# Altium PCB ESP32_MAIN.PcbDoc (part 2 of 2)
Units mm, origin at the board's own origin, x right, y up, seen from the top; angles counter-clockwise.
Board outline 80 x 80 mm, 2 copper layers (Top Layer, Bottom Layer); 106 components, 91 nets, 388 pads, 146 vias.
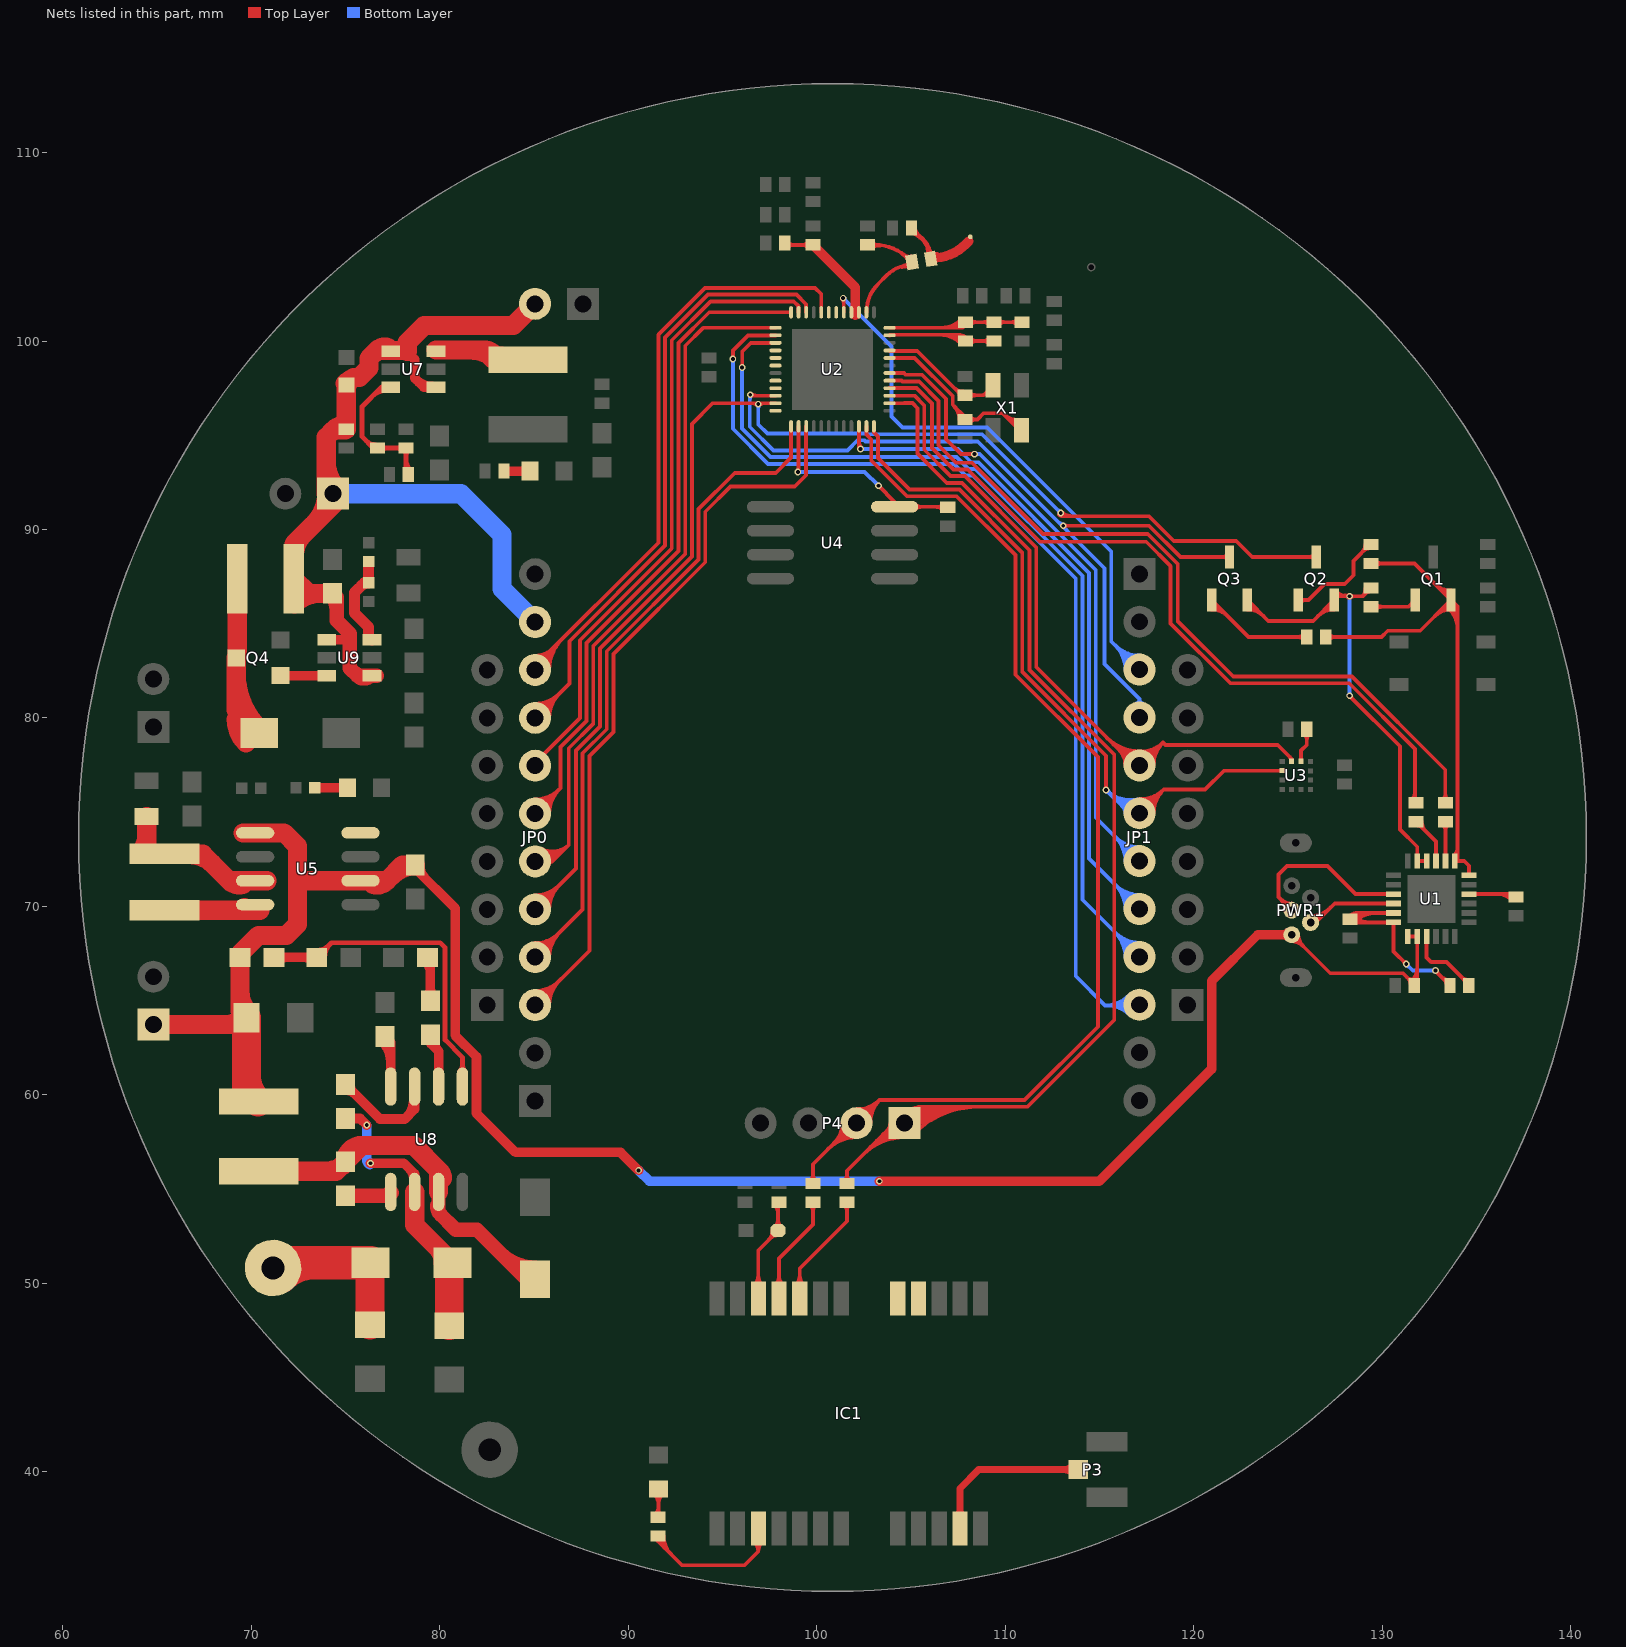
[diagram p2: the nets of this part, all layers, seen from the top]

## Via types
v1: diameter 0.356, hole 0.203, Top Layer to Bottom Layer, 130 vias
v2: diameter 0.5, hole 0.2, Top Layer to Bottom Layer, 16 vias

## Nets (pads, with @x,y where several pads share a name; then routed paths per layer and width w, separated by ;. In a path a pad name is that pad's centre, name@x,y a point inside that pad or via, vN(x,y) a via of type N, cw(c..) or ccw(c..) an arc to the next point about the centre after c; other vN are vias at no path point) (continued)
GPS_RX1: P4.2 R26.2 U2.35 | length 68.8
  Top Layer w0.203: R26.2@99.66,55.44 ccw(c99.321,55.779) 99.8,55.779 ccw(c100.279,55.779) R26.2@99.94,55.44 ; R26.2@99.8,55.3 99.8,56.325 101.975,58.5 P4.2@102.108,58.5 103.333,59.725 ; 100.603,57.128 cw(c102.108,55.624) P4.2@102.108,57.752 ; 100.924,57.449 ccw(c99.874,58.5) P4.2@101.36,58.5 ; 100.95,57.475 cw(c102.108,56.317) P4.2@102.108,57.955 ; 101.271,57.796 ccw(c100.568,58.5) P4.2@101.563,58.5 ; 101.297,57.822 cw(c102.108,57.011) P4.2@102.108,58.158 ; P4.2@102.124,59.045 ccw(c102.16,60.232) 103,59.392 ccw(c103.84,58.552) P4.2@102.653,58.516 ; P4.2@102.131,59.248 ccw(c102.18,60.878) 103.333,59.725 ; U2.35@102.638,95.475 102.638,95.034 102.894,94.778 102.894,93.653 104.783,91.764 107.42,91.764 110.544,88.64 110.544,82.303 110.583,82.264 110.583,82.258 114.918,77.923 114.918,63.618 111.025,59.725 103.333,59.725 ; P4.2@102.856,58.523 cw(c104.486,58.572) 103.333,59.725
GPS_RX2: IC1.17
GPS_TX1: P4.1 R27.2 U2.38 | length 86.1
  Top Layer w0.203: R27.2@101.46,55.44 ccw(c101.121,55.779) 101.6,55.779 ccw(c102.079,55.779) R27.2@101.74,55.44 ; R27.2@101.6,55.3 101.6,55.975 104.125,58.5 P4.1@104.648,58.5 105.517,59.369 ; 102.478,56.853 cw(c104.648,54.682) P4.1@104.648,57.752 ; 102.824,57.199 cw(c104.648,55.376) P4.1@104.648,57.955 ; 103.171,57.546 cw(c104.648,56.07) P4.1@104.648,58.158 ; 103.518,57.893 cw(c104.648,56.763) P4.1@104.648,58.361 ; 103.74,58.115 ccw(c103.355,58.5) P4.1@103.9,58.5 ; U2.38@103.863,96.7 104.639,96.7 104.646,96.707 105.079,96.707 105.35,96.436 105.35,94.025 106.9,92.475 107.715,92.475 111.294,88.896 111.294,82.553 115.782,78.065 115.782,63.979 111.172,59.369 105.517,59.369 ; P4.1@104.315,58.833 cw(c105.61,57.538) 105.61,59.369 ; P4.1@104.459,58.689 cw(c106.101,57.047) 106.101,59.369 ; P4.1@104.602,58.546 cw(c106.591,56.557) 106.591,59.369 ; P4.1@104.746,58.402 cw(c107.082,56.066) 107.082,59.369 ; P4.1@104.813,59.02 ccw(c104.954,59.461) 105.281,59.133 ccw(c105.609,58.806) P4.1@105.168,58.665 ; P4.1@104.875,59.213 ccw(c105.068,59.819) 105.517,59.369 ; P4.1@104.89,58.258 cw(c107.573,55.575) 107.573,59.369 ; P4.1@105.034,58.114 cw(c108.063,55.085) 108.063,59.369 ; P4.1@105.177,57.971 cw(c108.554,54.594) 108.554,59.369 ; P4.1@105.361,58.727 cw(c105.967,58.92) 105.517,59.369
GPS_TX2: IC1.16
IO0/P5: JP0.5 Q2.3 U2.23 | length 75.4
  Top Layer w0.203: JP0.5@85.059,69.85 87.226,72.017 87.226,78.275 88.503,79.552 88.503,83.684 93.378,88.559 93.378,95.603 94.475,96.7 U2.23@97.813,96.7 ; JP0.5@85.059,70.395 ccw(c85.059,71.711) 85.99,70.781 ccw(c86.92,69.85) JP0.5@85.604,69.85 ; JP0.5@85.059,70.598 ccw(c85.059,72.405) 86.337,71.128 ccw(c87.614,69.85) JP0.5@85.807,69.85 ; 96.595,96.7 cw(c96.595,96.345) v1@96.846,96.596 ; v1@96.954,96.596 cw(c97.205,96.345) 97.205,96.7 ; v1@112.86,90.785 ccw(c113.066,90.991) 113.066,90.7 ; v1@112.95,90.799 cw(c112.95,90.615) 113.08,90.745 cw(c113.21,90.875) v1@113.026,90.875 ; v1(112.95,90.875) 113.125,90.7 117.638,90.7 118.941,89.397 122.255,89.397 123.109,88.543 Q2.3@126.5,88.543 ; v1@113.004,90.929 ccw(c113.556,91.481) 113.556,90.7 ; Q2.3@126.395,88.438 ccw(c126.142,88.185) 126.142,88.543 ccw(c126.142,88.901) Q2.3@126.395,88.648
  Bottom Layer w0.203: v1@96.846,96.596 cw(c96.716,96.466) 96.9,96.466 cw(c97.084,96.466) v1@96.954,96.596 ; v1(96.9,96.65) 96.9,95.575 97.388,95.087 102.676,95.087 102.708,95.056 108.769,95.056 v1(112.95,90.875) ; v1@112.874,90.875 ccw(c112.69,90.875) 112.82,91.005 ccw(c112.95,91.135) v1@112.95,90.951
IO2/P11: JP1.4 Q3.3 U2.22 | length 46.2
  Top Layer w0.203: v1(96.475,97.15) 96.525,97.1 U2.22@97.813,97.1 ; v1@96.529,97.204 ccw(c96.78,97.455) 96.78,97.1 ; v1(113.075,90.2) 117.635,90.2 119.292,88.543 Q3.3@121.9,88.543 ; v1@113.129,90.146 cw(c113.259,90.016) 113.259,90.2 cw(c113.259,90.384) v1@113.129,90.254 ; Q3.3@121.795,88.438 ccw(c121.542,88.185) 121.542,88.543 ccw(c121.542,88.901) Q3.3@121.795,88.648
  Bottom Layer w0.203: 96.45,96.906 cw(c96.719,96.906) v1@96.529,97.096 ; v1@96.45,97.15 96.45,95.45 97.7,94.2 101.639,94.2 102.171,94.732 102.529,94.732 102.591,94.669 108.545,94.669 115.269,87.945 115.269,82.859 117.125,81.004 ; 112.841,90.373 ccw(c113.075,90.607) v1@113.075,90.276 ; v1@113.151,90.2 ccw(c113.482,90.2) 113.248,89.966 ; JP1.4@116.929,80.747 ccw(c116.859,81.004) 117.125,81.004 ; JP1.4@117.125,80.025 117.125,81.004 ; JP1.4@117.321,80.747 cw(c117.391,81.004) 117.125,81.004
IO4/N: U2.24
IO5/P16: JP1.8 U2.34 | length 40.6
  Top Layer w0.203: 102.238,94.669 ccw(c102.719,94.669) v1@102.379,94.329 ; U2.34@102.238,95.475 102.238,94.362 v1(102.325,94.275)
  Bottom Layer w0.203: v1(102.325,94.275) 107.489,94.275 108.196,93.568 108.579,93.568 114.45,87.697 114.45,72.541 JP1.8@117.141,69.85 ; v1@102.379,94.221 cw(c102.509,94.091) 102.509,94.275 cw(c102.509,94.459) v1@102.379,94.329 ; 115.847,71.144 cw(c114.567,69.865) JP1.8@116.377,69.865 ; 115.849,71.142 ccw(c117.125,72.418) JP1.8@117.125,70.613 ; 116.194,70.797 cw(c115.261,69.865) JP1.8@116.58,69.865 ; 116.196,70.795 ccw(c117.125,71.724) JP1.8@117.125,70.41
IO12/T: U2.18
IO13/H: U2.20
IO14/Y: U2.17
IO15/O: U2.21
IO16/P6: JP0.4 U2.25 | length 40
  Top Layer w0.203: JP0.4@85.059,67.31 87.581,69.832 87.581,78.127 88.859,79.405 88.859,83.537 93.734,88.411 93.734,91.086 95.647,93 97.825,93 98.638,93.813 U2.25@98.638,95.475 ; JP0.4@85.059,67.855 ccw(c85.059,69.171) 85.99,68.241 ccw(c86.92,67.31) JP0.4@85.604,67.31 ; JP0.4@85.059,68.058 ccw(c85.059,69.865) 86.337,68.588 ccw(c87.614,67.31) JP0.4@85.807,67.31
IO17/P7: JP0.3 U2.27 | length 43.6
  Top Layer w0.203: JP0.3@85.059,64.77 87.937,67.648 87.937,77.98 89.214,79.258 89.214,83.389 94.089,88.264 94.089,90.939 95.425,92.275 98.836,92.275 99.438,92.877 U2.27@99.438,95.475 ; JP0.3@85.059,65.315 ccw(c85.059,66.631) 85.99,65.701 ccw(c86.92,64.77) JP0.3@85.604,64.77 ; JP0.3@85.059,65.518 ccw(c85.059,67.325) 86.337,66.048 ccw(c87.614,64.77) JP0.3@85.807,64.77
IO21/P15: JP1.7 U2.42 | length 38.4
  Top Layer w0.203: U2.42@103.863,98.3 104.625,98.3 104.714,98.211 105.586,98.211 106.862,96.935 106.862,94.786 107.649,94 v1(108.375,94) ; v1@108.321,93.946 ccw(c108.191,93.816) 108.191,94 ccw(c108.191,94.184) v1@108.321,94.054
  Bottom Layer w0.203: v1(108.375,94) 108.65,94 114.806,87.844 114.806,74.725 JP1.7@117.141,72.39 ; v1@108.429,93.946 cw(c108.559,93.816) 108.559,94 cw(c108.559,94.184) v1@108.429,94.054 ; 115.847,73.684 cw(c114.567,72.405) JP1.7@116.377,72.405 ; 115.849,73.682 ccw(c117.125,74.958) JP1.7@117.125,73.153 ; 116.194,73.337 cw(c115.261,72.405) JP1.7@116.58,72.405 ; 116.196,73.335 ccw(c117.125,74.264) JP1.7@117.125,72.95
IO22/SCL: JP1.5 U2.39 U3.12 | length 46.8
  Top Layer w0.203: U2.39@103.863,97.1 105.189,97.1 105.706,96.583 105.706,94.228 107.103,92.831 107.862,92.831 111.65,89.043 111.65,82.7 116.95,77.4 JP1.5@117.4,77.4 ; 115.404,78.946 ccw(c117.125,80.668) JP1.5@117.125,78.233 ; 115.75,78.6 ccw(c117.125,79.974) JP1.5@117.125,78.03 ; 116.031,78.319 cw(c115.198,77.485) JP1.5@116.377,77.485 ; 116.097,78.253 ccw(c117.125,79.28) JP1.5@117.125,77.827 ; 116.378,77.972 cw(c115.891,77.485) JP1.5@116.58,77.485 ; JP1.5@117.141,77.47 118.371,78.7 118.497,78.574 124.457,78.574 125.2,77.831 U3.12@125.2,77.7 ; JP1.5@117.151,78.03 ccw(c117.208,79.213) 118.046,78.375 ; JP1.5@117.161,78.233 ccw(c117.238,79.833) 118.371,78.7 ccw(c119.572,77.499) JP1.5@117.873,77.489 ; JP1.5@117.67,77.488 cw(c118.888,77.495) 118.027,78.356 ; 125.058,77.973 cw(c124.79,77.705) U3.12@125.169,77.705
IO23/SDA: JP1.6 U2.36 U3.2 | length 48.6
  Top Layer w0.203: U2.36@103.036,95.25 ccw(c103.305,95.25) 103.115,95.06 ; U2.36@103.038,95.475 103.038,95.137 103.25,94.925 103.25,93.8 104.931,92.119 107.568,92.119 110.9,88.787 110.9,82.45 110.939,82.411 110.939,82.405 115.35,77.994 v1(115.35,76.175) ; v1@115.296,76.229 ccw(c115.166,76.359) 115.35,76.359 ccw(c115.534,76.359) v1@115.404,76.229 ; JP1.6@117.138,75.49 ccw(c117.17,76.771) 118.076,75.865 ; JP1.6@117.141,74.93 118.411,76.2 ; JP1.6@117.143,75.693 ccw(c117.186,77.425) 118.411,76.2 ; JP1.6@117.67,74.945 cw(c118.912,74.945) 118.034,75.823 ; JP1.6@117.873,74.945 cw(c119.605,74.945) 118.381,76.17 ; U3.2@124.7,77.202 121.602,77.202 120.6,76.2 118.411,76.2
  Bottom Layer w0.203: v1@115.35,76.099 cw(c115.35,75.915) 115.48,76.045 cw(c115.61,76.175) v1@115.426,76.175 ; v1@115.368,76.101 cw(c115.411,75.922) 115.507,76.079 cw(c115.603,76.236) v1@115.424,76.193 ; 115.619,75.906 ccw(c116.718,77.005) JP1.6@117.019,75.48 ; 115.889,75.636 ccw(c116.807,76.555) JP1.6@117.059,75.281 ; 116.158,75.367 ccw(c116.896,76.105) JP1.6@117.098,75.081 ; 116.233,75.292 cw(c115.886,74.945) JP1.6@116.377,74.945 ; JP1.6@116.98,75.679 cw(c116.63,77.454) v1(115.35,76.175) 116.58,74.945 JP1.6@117.125,74.945
IO25/P9: JP1.10 U2.14 | length 59.4
  Top Layer w0.203: v1@95.496,99.104 ccw(c95.366,99.234) 95.55,99.234 ccw(c95.734,99.234) v1@95.604,99.104 ; v1(95.55,99.05) 95.55,99.5 96.35,100.3 U2.14@97.813,100.3
  Bottom Layer w0.203: v1@95.496,98.996 cw(c95.366,98.866) 95.55,98.866 cw(c95.734,98.866) v1@95.604,98.996 ; v1(95.55,99.05) 95.55,95.344 97.412,93.482 107.277,93.482 107.902,92.857 108.284,92.857 113.739,87.402 113.739,66.311 115.3,64.75 ; 115.403,64.75 cw(c115.403,63.063) JP1.10@116.596,64.256 ; 115.773,64.75 ccw(c115.773,66.069) JP1.10@116.73,65.161 ; 115.893,64.75 cw(c115.893,63.553) JP1.10@116.739,64.399 ; 116.247,64.75 ccw(c116.247,65.619) JP1.10@116.877,65.021 ; JP1.10@116.582,65.3 cw(c115.3,66.519) 115.3,64.75 ; JP1.10@117.141,64.77 117.121,64.75 115.3,64.75
IO26/P8: JP1.9 U2.15 | length 54.2
  Top Layer w0.203: v1@95.989,98.654 ccw(c95.843,98.8) 96.05,98.8 ; v1@96.05,98.6 96.05,99.45 96.5,99.9 U2.15@97.813,99.9
  Bottom Layer w0.203: v1@95.989,98.546 cw(c95.859,98.416) 96.043,98.416 cw(c96.227,98.416) v1@96.097,98.546 ; v1(96.043,98.6) 96.043,95.354 97.554,93.843 107.418,93.843 108.049,93.213 108.432,93.213 114.095,87.549 114.095,70.356 JP1.9@117.141,67.31 ; 115.847,68.604 cw(c114.567,67.325) JP1.9@116.377,67.325 ; 115.849,68.602 ccw(c117.125,69.878) JP1.9@117.125,68.073 ; 116.194,68.257 cw(c115.261,67.325) JP1.9@116.58,67.325 ; 116.196,68.255 ccw(c117.125,69.184) JP1.9@117.125,67.87
IO27/P: U2.16
IO32/P1: JP0.7 U2.12 | length 39.7
  Top Layer w0.203: JP0.7@85.059,74.93 86.4,76.271 86.4,78.455 87.792,79.847 87.792,83.979 92.667,88.853 92.667,99.895 94.297,101.525 U2.12@98.638,101.525 ; JP0.7@85.059,75.475 ccw(c85.059,76.791) 85.99,75.861 ccw(c86.92,74.93) JP0.7@85.604,74.93 ; JP0.7@85.059,75.678 ccw(c85.059,77.485) 86.337,76.208 ccw(c87.614,74.93) JP0.7@85.807,74.93
IO33/P0: JP0.6 U2.13 | length 43.5
  Top Layer w0.203: JP0.6@85.029,72.333 ccw(c85.441,73.114) 86.065,72.49 ; JP0.6@85.059,72.39 85.965,72.39 ; JP0.6@85.124,72.513 ccw(c85.575,73.369) 86.26,72.685 ; JP0.6@85.218,72.693 ccw(c85.71,73.625) 86.455,72.88 ; JP0.6@85.313,72.872 ccw(c85.844,73.88) 86.65,73.075 ; JP0.6@85.408,73.052 ccw(c85.979,74.135) 86.844,73.269 ; JP0.6@85.794,72.249 cw(c85.965,72.216) 85.965,72.39 ; JP0.6@85.794,72.531 ccw(c85.965,72.564) 85.965,72.39 ; U2.13@97.813,100.7 93.975,100.7 93.022,99.747 93.022,88.706 88.148,83.831 88.148,79.7 86.845,78.397 86.845,73.27 85.965,72.39
IO34/P3: JP0.9 U2.10 | length 37
  Top Layer w0.203: JP0.9@85.059,80.01 86.875,81.826 86.875,84.067 91.956,89.148 91.956,100.189 94.226,102.46 98.932,102.46 99.438,101.954 U2.10@99.438,101.525 ; JP0.9@85.059,80.555 ccw(c85.059,81.871) 85.99,80.941 ccw(c86.92,80.01) JP0.9@85.604,80.01 ; JP0.9@85.059,80.758 ccw(c85.059,82.565) 86.337,81.288 ccw(c87.614,80.01) JP0.9@85.807,80.01
IO35/P2: JP0.8 U2.11 | length 33.8
  Top Layer w0.203: JP0.8@85.059,77.47 85.059,77.617 87.436,79.994 87.436,84.126 92.311,89.001 92.311,100.042 94.373,102.104 98.785,102.104 99.038,101.851 U2.11@99.038,101.525 ; 98.97,101.919 cw(c98.801,101.75) U2.11@99.04,101.75
IO36/P10: JP1.3 U2.5 | length 35.1
  Top Layer w0.203: v1@101.346,102.221 cw(c101.124,101.999) 101.438,101.999 ; v1(101.4,102.275) 101.438,102.237 U2.5@101.438,101.525
  Bottom Layer w0.203: v1@101.4,102.199 cw(c101.4,102.015) 101.53,102.145 cw(c101.66,102.275) v1@101.476,102.275 ; v1(101.4,102.275) 103.961,99.714 103.961,95.992 104.542,95.411 109.049,95.411 115.625,88.836 115.625,84.065 JP1.3@117.125,82.565 ; JP1.3@116.377,82.565 ccw(c114.57,82.565) 115.847,83.843 ccw(c117.125,85.12) JP1.3@117.125,83.313 ; JP1.3@116.58,82.565 ccw(c115.264,82.565) 116.194,83.496 ccw(c117.125,84.426) JP1.3@117.125,83.11
IO37/INT: U2.6
IO38/MIC: U2.7
IO39/P4: JP0.10 U2.8 | length 37.2
  Top Layer w0.203: JP0.10@85.059,82.55 85.059,82.754 91.6,89.295 91.6,100.337 94.079,102.815 99.91,102.815 100.238,102.487 U2.8@100.238,101.525 ; JP0.10@85.059,83.095 ccw(c85.059,83.918) 85.641,83.336 ; JP0.10@85.059,83.298 ccw(c85.059,84.612) 85.988,83.683 ; JP0.10@85.401,82.55 cw(c86.72,82.55) 85.787,83.482 ; JP0.10@85.604,82.55 cw(c87.414,82.55) 86.134,83.829 ; JP0.10@85.807,82.55 cw(c88.107,82.55) 86.481,84.176
NetAT1_1: AT1.1 C8.2 L1.1 | length 5.9
  Top Layer w0.254: C8.2@104.91,105.815 cw(c104.544,104.362) L1.1@106.042,104.362 ; C8.2@105.191,105.947 ccw(c106.021,106.183) 105.601,105.43 ; L1.1@105.875,104.547 ccw(c105.539,104.741) 105.914,104.841 ; 105.903,104.882 ccw(c106.335,104.998) L1.1@106.112,104.61
  Top Layer w0.508: L1.1@106.045,104.396 106.115,104.396 ccw(c106.115,106.936) 107.911,105.14 108.06,105.289 ; L1.1@106.048,104.5 ccw(c106.249,104.848) 106.353,104.46
NetC4_1: C4.1 C5.2 R1.2 U2.48 | length 12.6
  Top Layer w0.203: U2.48@103.863,100.7 107.6,100.7 C5.2@107.9,101 C4.1@110.9,101 ; 106.597,100.7 ccw(c106.597,102.203) C5.2@107.66,101.14 ; 107.087,100.7 ccw(c107.087,101.713) C5.2@107.803,100.997 ; 107.578,100.7 ccw(c107.578,101.222) C5.2@107.947,100.853 ; C5.2@108.14,100.86 cw(c108.479,100.521) 108.479,101 cw(c108.479,101.479) C5.2@108.14,101.14 ; R1.2@109.16,100.86 ccw(c108.821,100.521) 108.821,101 ccw(c108.821,101.479) R1.2@109.16,101.14 ; R1.2@109.64,100.86 cw(c109.979,100.521) 109.979,101 cw(c109.979,101.479) R1.2@109.64,101.14 ; C4.1@110.66,100.86 ccw(c110.321,100.521) 110.321,101 ccw(c110.321,101.479) C4.1@110.66,101.14
NetC5_1: C5.1 R1.1 U2.47 | length 10.3
  Top Layer w0.203: U2.47@103.863,100.3 103.895,100.332 107.568,100.332 ; 106.52,100.332 cw(c106.52,98.72) C5.1@107.66,99.86 ; 107.011,100.332 cw(c107.011,99.211) C5.1@107.803,100.003 ; 107.501,100.332 cw(c107.501,99.701) C5.1@107.947,100.147 ; C5.1@107.617,100.078 ccw(c107.405,100.168) 107.568,100.332 ; C5.1@107.632,100.268 ccw(c107.8,100.436) C5.1@107.8,100.198 ; C5.1@108.14,99.86 cw(c108.479,99.521) 108.479,100 cw(c108.479,100.479) C5.1@108.14,100.14 ; R1.1@109.16,99.86 ccw(c108.821,99.521) 108.821,100 ccw(c108.821,100.479) R1.1@109.16,100.14 ; R1.1@109.4,100 C5.1@107.9,100 107.568,100.332
NetC9_2: C9.2 L1.2 U2.2 | length 8.7
  Top Layer w0.203: U2.2@102.638,101.525 cw(c104.782,101.525) 103.266,103.041 103.695,103.47 cw(c105.105,102.059) L1.2@105.105,104.054 ; C9.2@102.7,105.1 103.094,105.1 cw(c103.094,102.56) 104.89,104.356 L1.2@105.058,104.188 ; C9.2@102.922,104.944 cw(c103.292,104.471) 103.365,105.067 ; C9.2@102.956,105.222 ccw(c103.238,105.442) 103.194,105.088 ; 104.521,103.913 ccw(c104.375,104.518) L1.2@104.906,104.193 ; 104.572,104.579 ccw(c104.907,105.054) L1.2@105.006,104.482 ; 104.69,104.496 cw(c104.473,104.188) L1.2@104.845,104.253 ; 104.717,103.96 cw(c104.796,103.634) L1.2@104.971,103.92
NetC11_2: C11.2 U1.16 | length 3.5
  Top Layer w0.203: U1.16@134.607,70.657 C11.2@136.943,70.657 ; 136.142,70.657 cw(c136.142,69.642) C11.2@136.86,70.36 ; 136.633,70.657 cw(c136.633,70.133) C11.2@137.003,70.503
NetC15_2: C15.2 L2.2 U2.3 U2.4 | length 8.1
  Top Layer w0.203: C15.2@98.3,105.2 98.4,105.1 L2.2@99.8,105.1 ; C15.2@98.44,104.96 cw(c98.779,104.621) 98.779,105.1 cw(c98.779,105.579) C15.2@98.44,105.24 ; L2.2@99.56,104.96 ccw(c99.221,104.621) 99.221,105.1 ccw(c99.221,105.579) L2.2@99.56,105.24 ; U2.4@101.838,101.525 U2.3@102.238,101.525
  Top Layer w0.508: L2.2@99.8,105.1 102.05,102.85 102.05,101.375
NetC28_1: C28.1 R15.2 R16.1 U7.6 | length 12.1
  Top Layer w0.254: 76.104,94.696 ccw(c76.591,95.182) C28.1@76.591,94.494 ; 76.393,97.043 cw(c77.2,96.235) U7.6@77.2,97.377 ; 76.826,97.476 cw(c77.2,97.102) U7.6@77.2,97.631 ; C28.1@76.913,94.199 cw(c77.209,93.903) 77.209,94.321 cw(c77.209,94.739) C28.1@76.913,94.443 ; U7.6@77.4,97.55 76.9,97.55 75.875,96.525 75.875,94.925 76.479,94.321 C28.1@76.691,94.321 R15.2@78.215,94.321 ; R15.2@77.993,94.199 ccw(c77.697,93.903) 77.697,94.321 ccw(c77.697,94.739) R15.2@77.993,94.443 ; R15.2@78.093,94.199 cw(c77.797,93.903) 78.215,93.903 cw(c78.633,93.903) R15.2@78.337,94.199 ; 78.215,93.721 ccw(c79.039,93.721) R16.1@78.456,93.138 ; R15.2@78.215,94.321 78.215,93.035 R16.1@78.334,92.916
NetC34_1: C34.1 U8.1 | length 2.9
  Top Layer w0.762: C34.1@75,54.65 77.189,54.65 U8.1@77.395,54.856 ; 77.082,54.65 ccw(c77.082,55.169) U8.1@77.449,54.802
NetC34_2: C34.2 D4.2 L5.1 U8.3 | length 25
  Top Layer w0.762: U8.3@79.859,54.145 ccw(c80.592,54.145) 80.073,53.627 ; U8.3@79.935,54.856 79.935,53.765 80.85,52.85 81.975,52.85 D4.2@84.6,50.225 ; 83.219,51.606 ccw(c85.059,53.447) D4.2@85.059,50.844
  Top Layer w1.016: L5.1@70.4,55.95 74.5,55.95 C34.2@75,56.45 75.864,57.314 ; 73.933,55.95 ccw(c73.933,57.467) C34.2@75.006,56.394 ; C34.2@74.992,56.501 cw(c75.864,56.44) 75.864,57.314 ; U8.3@79.935,54.856 79.935,56.008 78.629,57.314 75.864,57.314 ; 79.97,55.973 cw(c79.564,55.567) 80.138,55.567 ccw(c79.564,55.567) 79.97,55.973
NetC35_2: C35.2 U8.8 | length 4
  Top Layer w0.508: C35.2@76.926,62.876 cw(c75.794,61.744) 77.395,61.744 ; C35.2@77.1,63.1 77.395,62.805 U8.8@77.395,60.444
NetC37_1: C37.1 R19.1 | length 4
  Top Layer w0.508: R19.1@79.226,67.126 cw(c78.565,66.465) 79.5,66.465 ; C37.1@79.326,65.224 ccw(c78.906,65.644) 79.5,65.644 ccw(c80.094,65.644) C37.1@79.674,65.224 ; R19.1@79.35,67.3 79.5,67.15 C37.1@79.5,65
NetC37_2: C37.2 U8.6 | length 3.8
  Top Layer w0.508: C37.2@79.5,63.2 79.531,63.169 79.531,62.731 79.935,62.327 ; C37.2@79.737,63.084 ccw(c80.483,62.874) 79.935,62.327 ; U8.6@79.935,60.444 79.935,62.327
NetC38_1: C38.1 D2.1 L7.2 | length 10.5
  Top Layer w1.524: L7.2@71.155,50.821 L7.2@71.434,51.1 ; C38.1@76.3,47.8 76.3,51.075 D2.1@76.325,51.1
  Top Layer w1.778: L7.2@71.434,51.1 D2.1@76.325,51.1 ; L7.2@71.587,50.389 cw(c73.303,48.672) 73.303,51.1
NetC39_2: C39.2 D2.2 R?.1 U8.2 | length 18
  Top Layer w0.508: R?.1@75,58.75 75.775,58.75 v1(76.125,58.4) ; R?.1@75.174,58.576 cw(c75.594,58.156) 75.594,58.75 cw(c75.594,59.344) R?.1@75.174,58.924 ; v1(76.325,56.375) 78.1,56.375 78.665,55.81 U8.2@78.665,54.856 ; 78.407,56.068 cw(c77.905,55.567) U8.2@78.614,55.567
  Top Layer w1.016: U8.2@78.675,54.846 78.675,53.1 D2.2@80.675,51.1 ; 79.835,51.94 cw(c78.995,51.1) D2.2@80.183,51.1
  Top Layer w1.524: C39.2@80.5,47.75 80.5,50.925 D2.2@80.675,51.1
  Bottom Layer w0.508: 76.125,56.674 ccw(c76.624,56.674) v1@76.271,56.321 ; v1(76.125,58.4) 76.125,56.575 ; v1@76.291,56.307 cw(c76.425,56.575) 76.125,56.575 ; v1(76.325,56.375) 76.125,56.575
NetD1_1: D1.1 R17.2 | length 2.5
  Top Layer w0.508: R17.2@73.375,76.3 D1.1@75.1,76.3 ; D1.1@74.961,76.161 ccw(c74.627,75.827) 74.627,76.3 ccw(c74.627,76.773) D1.1@74.961,76.439
NetD3_1: D3.1 L6.2 Q4.D | length 14.3
  Top Layer w1.016: 69.203,79.919 ccw(c70.945,79.919) D3.1@69.713,78.688 ; 69.203,82.372 ccw(c73.397,82.372) D3.1@70.432,79.406 ; L6.2@69.259,87.384 69.259,83.249 Q4.D@69.203,83.193 69.203,80.422 D3.1@70.425,79.2 ; 69.585,80.04 cw(c68.745,79.2) D3.1@69.933,79.2
NetD5_1: D5.1 R18.2 | length 2.1
  Top Layer w0.508: R18.2@83.403,93.097 D5.1@84.797,93.097 ; D5.1@84.658,92.958 ccw(c84.324,92.624) 84.324,93.097 ccw(c84.324,93.57) D5.1@84.658,93.236
NetD6_2: D6.2 R25.2 | length 3.6
  Top Layer w0.203: D6.2@91.354,38.854 cw(c90.759,38.259) 91.6,38.259 cw(c92.441,38.259) D6.2@91.846,38.854 ; R25.2@91.437,37.74 ccw(c91.044,38.133) 91.6,38.133 ; R25.2@91.6,37.622 D6.2@91.6,39.1 ; 91.6,38.025 ccw(c92.002,38.025) R25.2@91.718,37.74
NetD?_2: D?.2 IC1.22 R28.1 | length 9.3
  Top Layer w0.203: IC1.22@96.69,49.911 ccw(c96.184,50.417) 96.9,50.417 ; IC1.22@96.9,49.2 96.9,51.75 D?.2@97.95,52.8 97.95,54.25 R28.1@98,54.3 ; 96.9,50.423 ccw(c97.625,50.423) IC1.22@97.112,49.911 ; 97.441,52.291 ccw(c96.931,52.8) D?.2@97.652,52.8 ; 97.561,52.411 cw(c97.9,52.073) D?.2@97.9,52.552 ; R28.1@97.76,54.16 cw(c97.3,53.7) 97.95,53.7 ; D?.2@97.774,52.976 ccw(c97.35,53.4) 97.95,53.4 ccw(c98.55,53.4) D?.2@98.126,52.976 ; 97.95,53.942 cw(c98.258,53.942) R28.1@98.04,54.16
NetIC1_3: IC1.3 R25.1 | length 10.9
  Top Layer w0.203: R25.1@91.47,36.6 ccw(c91.879,36.6) R25.1@91.589,36.311 ; R25.1@91.578,36.6 91.578,36.322 92.85,35.05 96.175,35.05 96.9,35.775 IC1.3@96.9,37 ; R25.1@91.673,36.6 ccw(c92.573,36.6) 91.936,35.964 ; R25.1@91.876,36.6 ccw(c93.266,36.6) 92.283,35.617 ; IC1.3@96.69,36.289 cw(c96.184,35.783) 96.9,35.783 ; 96.9,35.777 cw(c97.625,35.777) IC1.3@97.112,36.289
NetIC1_11: IC1.11 P3.2 | length 10.8
  Top Layer w0.381: IC1.11@107.453,37.648 ccw(c107.099,38.003) 107.6,38.003 ; IC1.11@107.6,37 107.6,39.125 108.6,40.125 P3.2@113.875,40.125 ; 107.6,38.009 ccw(c108.11,38.009) IC1.11@107.749,37.648 ; P3.2@113.631,39.906 ccw(c113.103,39.378) 113.103,40.125 ccw(c113.103,40.872) P3.2@113.631,40.344
NetIC1_20: IC1.20 R27.1 | length 8
  Top Layer w0.203: IC1.20@98.89,49.911 ccw(c98.384,50.417) 99.1,50.417 ; IC1.20@99.1,49.2 99.1,50.8 101.6,53.3 R27.1@101.6,54.3 ; 99.1,50.423 ccw(c99.825,50.423) IC1.20@99.312,49.911 ; R27.1@101.46,54.16 cw(c101.121,53.821) 101.6,53.821 cw(c102.079,53.821) R27.1@101.74,54.16
NetIC1_21: IC1.21 R26.1 | length 7.7
  Top Layer w0.203: IC1.21@97.79,49.911 ccw(c97.284,50.417) 98,50.417 ; IC1.21@98,49.2 98,51.325 99.8,53.125 R26.1@99.8,54.3 ; 98,50.423 ccw(c98.725,50.423) IC1.21@98.212,49.911 ; R26.1@99.66,54.16 cw(c99.321,53.821) 99.8,53.821 cw(c100.279,53.821) R26.1@99.94,54.16
NetL3_1: L3.1 U5.8 | length 5.5
  Top Layer w1.016: L3.1@65.4,69.8 U5.8@70.45,69.8 ; 69.273,69.8 ccw(c69.273,70.317) U5.8@69.639,69.951
NetL3_2: L3.2 R11.1 U5.7 | length 13
  Top Layer w1.016: L3.2@64.07,72.83 ccw(c63.153,73.747) 64.45,73.747 ; R11.1@64.45,74.775 64.45,72.8 L3.2@65.4,72.8 65.425,72.775 67.425,72.775 68.835,71.365 ; L3.2@66.7,72.758 cw(c66.7,70.967) 67.967,72.233 ; 68.715,71.485 ccw(c69.495,72.264) U5.7@69.495,71.162 ; U5.7@69.544,71.168 cw(c69.364,71.894) 68.835,71.365 ; U5.7@70.825,71.365 68.835,71.365
NetL4_1: L4.1 U7.3 | length 8.9
  Top Layer w1.016: U7.3@79.8,99.525 82.325,99.525 ; 81.577,99.525 cw(c81.577,97.307) L4.1@83.145,98.875 ; L4.1@83.097,98.955 ccw(c82.325,98.717) 82.325,99.525 ; L4.1@83.258,99.202 cw(c83.125,100.325) 82.325,99.525 ; L4.1@84.681,99.011 84.65,99.042 82.808,99.042 82.325,99.525
NetQ1_1: Q1.1 R6.1 | length 3.3
  Top Layer w0.203: R6.1@129.4,85.9 131.393,85.9 Q1.1@131.75,86.257 ; R6.1@129.64,85.76 cw(c129.979,85.421) 129.979,85.9 cw(c129.979,86.379) R6.1@129.64,86.04
NetQ2_1: Q2.1 R7.1 | length 6.8
  Top Layer w0.203: Q2.1@125.55,86.257 126.092,86.257 126.946,87.111 128.011,87.111 128.475,87.575 128.475,88.334 129.341,89.2 R7.1@129.4,89.2 ; Q2.1@125.655,86.152 cw(c125.908,85.899) 125.908,86.257 cw(c125.908,86.615) Q2.1@125.655,86.362 ; 128.932,88.792 ccw(c128.524,89.2) R7.1@129.102,89.2 ; 129.031,88.89 cw(c129.3,88.621) R7.1@129.3,89.002
NetQ3_1: Q3.1 R9.1 | length 8.3
  Top Layer w0.203: Q3.1@120.95,85.759 cw(c120.95,84.555) 121.801,85.406 ; Q3.1@120.95,85.962 cw(c120.95,85.249) 121.454,85.753 ; Q3.1@120.95,86.165 cw(c120.95,85.943) Q3.1@121.107,86.1 ; Q3.1@120.95,86.257 122.907,84.3 R9.1@126,84.3 ; R9.1@125.86,84.16 ccw(c125.521,83.821) 125.521,84.3 ccw(c125.521,84.779) R9.1@125.86,84.44
NetQ4_G: Q4.G U9.6 | length 3.2
  Top Layer w0.508: Q4.G@71.553,82.243 U9.6@74.004,82.243 ; Q4.G@71.717,82.104 cw(c72.051,81.77) 72.051,82.243 cw(c72.051,82.716) Q4.G@71.717,82.382
NetR2_2: R2.2 U1.20 | length 2.8
  Top Layer w0.203: R2.2@133.21,74.36 cw(c132.853,74.003) 133.357,74.003 ; U1.20@133.357,72.407 R2.2@133.357,74.443 ; 133.357,74.039 cw(c133.811,74.039) R2.2@133.49,74.36
NetR3_2: R3.2 U1.21 | length 3.3
  Top Layer w0.203: R3.2@131.8,74.5 132.857,73.443 U1.21@132.857,72.407 ; R3.2@131.9,74.302 cw(c131.9,74.064) R3.2@132.068,74.232 ; R3.2@132.098,74.5 ccw(c132.819,74.5) 132.309,73.991
NetR4_1: R4.1 U1.9 | length 4.8
  Top Layer w0.203: U1.9@132.357,68.407 132.357,67.293 132.6,67.05 133.409,67.05 134.6,65.859 R4.1@134.6,65.8 ; 134.192,66.268 ccw(c134.6,66.676) R4.1@134.6,66.098 ; 134.29,66.169 cw(c134.021,65.9) R4.1@134.402,65.9
NetR8_2: R8.2 U3.11 | length 2.6
  Top Layer w0.203: U3.11@125.7,77.7 125.7,78.275 126,78.575 R8.2@126,79.4 ; R8.2@125.86,79.16 cw(c125.521,78.821) 126,78.821 cw(c126.479,78.821) R8.2@126.14,79.16
NetR20_1: R20.1 R21.2 U8.5 | length 21.2
  Top Layer w0.254: R21.2@73.475,67.3 74.254,68.079 80.016,68.079 80.279,67.816 80.279,62.916 81.205,61.991 U8.5@81.205,60.444 ; R21.2@73.525,67.673 ccw(c73.525,68.453) 74.076,67.901 ; R21.2@73.898,67.3 cw(c74.919,67.3) 74.197,68.022 ; U8.5@81.079,61.281 ccw(c80.776,61.584) 81.205,61.584 ccw(c81.634,61.584) U8.5@81.331,61.281
  Top Layer w0.508: R20.1@71.2,67.3 R21.2@73.475,67.3 ; R20.1@71.424,67.126 cw(c71.844,66.706) 71.844,67.3 cw(c71.844,67.894) R20.1@71.424,67.474 ; R21.2@73.251,67.126 ccw(c72.831,66.706) 72.831,67.3 ccw(c72.831,67.894) R21.2@73.251,67.474
NetR23_2: R23.2 R24.2 U9.3 | length 5.4
  Top Layer w0.584: 75.821,87 cw(c76.225,86.596) R23.2@76.225,87.167 ; R24.2@76.225,88.3 R23.2@76.225,87.175 75.996,87.175 75.48,86.659 75.48,85.57 76.225,84.825 76.225,84.322 U9.3@76.404,84.143
NetR?_2: R?.2 U8.7 | length 7.8
  Top Layer w0.508: R?.2@75,60.254 cw(c75,59.539) 75.505,60.045 ; R?.2@75,60.55 76.825,58.725 78.15,58.725 78.665,59.24 U8.7@78.665,60.444 ; R?.2@75.246,60.5 ccw(c75.719,60.5) R?.2@75.385,60.165 ; 78.23,58.805 ccw(c77.302,59.733) U8.7@78.614,59.733
PWR: C6.1 C22.2 C36.2 L5.2 PWR1.1 PWR.1 R20.2 U1.7 U1.8 U5.2 U5.5 | length 119.9
  Top Layer w0.203: PWR1.1@125.2,68.152 cw(c125.2,67.31) 125.795,67.905 cw(c126.39,68.5) PWR1.1@125.548,68.5 ; PWR1.1@125.2,68.5 127.246,66.454 131.105,66.454 131.7,65.859 C6.1@131.7,65.8 ; 131.292,66.268 ccw(c131.7,66.676) C6.1@131.7,66.098 ; U1.7@131.357,68.407 U1.8@131.857,68.407 C6.1@131.857,65.957 ; 131.39,66.169 cw(c131.121,65.9) C6.1@131.502,65.9 ; C6.1@131.56,66.04 ccw(c130.841,66.759) 131.857,66.759 ; C6.1@131.703,65.897 ccw(c131.332,66.268) 131.857,66.268
  Top Layer w0.508: C22.2@78.7,72.2 78.7,72.025 80.813,69.912 80.813,63.162 81.95,62.025 81.95,59.025 84.025,56.95 89.6,56.95 v1(90.55,56) ; C22.2@78.946,72.15 ccw(c79.842,72.15) 79.209,71.516 ; v1(103.325,55.425) 115,55.425 120.95,61.375 120.95,66.05 123.4,68.5 PWR1.1@125.2,68.5 ; PWR1.1@125.061,68.361 ccw(c124.727,68.027) 124.727,68.5 ccw(c124.727,68.973) PWR1.1@125.061,68.639
  Top Layer w1.016: PWR.1@64.8,63.73 69.38,63.73 C36.2@69.75,64.1 69.4,64.45 69.4,67.275 R20.2@69.425,67.3 ; 68.611,63.73 ccw(c68.611,65.15) C36.2@69.615,64.146 ; 69.4,65.494 ccw(c71.055,65.494) C36.2@69.885,64.324 ; R20.2@69.4,67.3 69.4,67.484 70.376,68.46 71.86,68.46 72.45,69.05 72.45,71.365 ; U5.5@69.575,73.905 71.745,73.905 72.45,73.2 72.45,71.365 ; U5.2@76.452,71.169 ccw(c76.652,71.903) 77.19,71.365 ; U5.2@76.505,71.162 ccw(c76.505,72.324) 77.327,71.502 ; 77.476,71.651 cw(c78.7,70.427) C22.2@78.7,72.158 ; C22.2@78.7,72.2 78.025,72.2 77.19,71.365 ; 72.45,71.365 U5.2@75.794,71.365 77.19,71.365
  Top Layer w1.524: L5.2@69.75,60.3 C36.2@69.75,64.1 ; 69.75,61.07 ccw(c71.82,61.07) L5.2@70.356,59.606
  Bottom Layer w0.508: v1(90.55,56) 91.125,55.425 v1(103.325,55.425)
STDBY: U5.4
U0DTR: Q2.2 Q3.2 R6.2 U1.22 U1.23 | length 30.4
  Top Layer w0.203: Q3.2@122.85,85.759 cw(c122.85,84.555) 123.701,85.406 ; Q3.2@122.85,85.962 cw(c122.85,85.249) 123.354,85.753 ; Q3.2@122.85,86.165 cw(c122.85,85.943) Q3.2@123.007,86.1 ; Q3.2@122.85,86.257 123.957,85.15 126.343,85.15 Q2.2@127.45,86.257 127.647,86.454 v1(128.275,86.454) 128.954,86.454 ; 126.599,85.406 cw(c127.45,84.555) Q2.2@127.45,85.759 ; 126.946,85.753 cw(c127.45,85.249) Q2.2@127.45,85.962 ; Q2.2@127.293,86.1 cw(c127.45,85.943) Q2.2@127.45,86.165 ; Q2.2@127.411,86.568 ccw(c127.687,86.844) Q2.2@127.687,86.454 ; Q2.2@127.555,86.712 ccw(c128.178,87.335) v1@128.178,86.454 ; 128.032,86.493 ccw(c128.102,86.754) v1@128.237,86.52 ; v1@128.221,86.4 ccw(c128.091,86.27) 128.091,86.454 ccw(c128.091,86.638) v1@128.221,86.508 ; v1@128.275,81.099 cw(c128.275,80.915) 128.405,81.045 cw(c128.535,81.175) v1@128.351,81.175 ; v1(128.275,81.175) 130.95,78.5 130.95,74.075 131.857,73.168 U1.23@131.857,72.407 U1.22@132.357,72.407 ; v1@128.329,86.4 cw(c128.459,86.27) 128.459,86.454 cw(c128.459,86.638) v1@128.329,86.508 ; R6.2@129.103,86.878 cw(c128.587,86.821) 128.954,86.454 ; R6.2@129.132,86.632 cw(c129.3,86.464) R6.2@129.3,86.702 ; R6.2@129.4,86.9 128.954,86.454
  Bottom Layer w0.203: v1@128.221,81.229 ccw(c128.091,81.359) 128.275,81.359 ccw(c128.459,81.359) v1@128.329,81.229 ; v1@128.221,86.4 cw(c128.091,86.27) 128.275,86.27 cw(c128.459,86.27) v1@128.329,86.4 ; v1(128.275,81.175) v1(128.275,86.454)
U0RTS: Q1.2 R7.2 R9.2 U1.18 U1.19 | length 35.8
  Top Layer w0.203: R9.2@127,84.3 129.966,84.3 130.295,84.629 132.022,84.629 Q1.2@133.65,86.257 ; R9.2@127.14,84.16 cw(c127.479,83.821) 127.479,84.3 cw(c127.479,84.779) R9.2@127.14,84.44 ; R7.2@129.4,88.2 131.707,88.2 Q1.2@133.65,86.257 ; R7.2@129.64,88.06 cw(c129.979,87.721) 129.979,88.2 cw(c129.979,88.679) R7.2@129.64,88.34 ; 132.799,85.406 cw(c133.65,84.555) Q1.2@133.65,85.759 ; 132.799,87.108 ccw(c133.65,87.959) Q1.2@133.65,86.755 ; 133.146,85.753 cw(c133.65,85.249) Q1.2@133.65,85.962 ; 133.146,86.761 ccw(c133.65,87.265) Q1.2@133.65,86.552 ; Q1.2@133.493,86.1 cw(c133.65,85.943) Q1.2@133.65,86.165 ; Q1.2@133.493,86.414 ccw(c133.65,86.571) Q1.2@133.65,86.349 ; Q1.2@133.545,85.802 cw(c132.466,84.723) 133.992,84.723 ; Q1.2@133.689,85.946 cw(c132.957,85.214) 133.992,85.214 ; U1.19@133.823,72.691 ccw(c133.387,73.128) 134.004,73.128 ; Q1.2@133.832,86.089 cw(c133.447,85.704) 133.992,85.704 ; U1.19@133.967,72.548 ccw(c133.877,72.637) U1.19@134.004,72.637 ; U1.18@134.607,71.657 134.607,72.157 134.357,72.407 U1.19@133.857,72.407 134.004,72.554 134.004,81.503 133.992,81.515 133.992,85.915 Q1.2@133.65,86.257
U0RXD: R3.1 U2.40 | length 42.6
  Top Layer w0.203: U2.40@103.863,97.5 105.291,97.5 106.113,96.679 106.113,94.324 107.25,93.186 108.014,93.186 111.85,89.35 117.479,89.35 118.775,88.054 118.775,85.017 121.948,81.844 128.253,81.844 131.75,78.347 131.75,75.55 R3.1@131.8,75.5 ; R3.1@131.56,75.64 ccw(c131.1,76.1) 131.75,76.1 ; 131.75,75.858 ccw(c132.058,75.858) R3.1@131.84,75.64
U0TXD: R2.1 U2.41 | length 43.7
  Top Layer w0.203: U2.41@103.863,97.9 104.497,97.9 104.542,97.856 105.439,97.856 106.468,96.826 106.468,94.471 107.398,93.542 108.233,93.542 112.007,89.768 117.564,89.768 119.15,88.182 119.15,85.145 122.095,82.2 128.4,82.2 133.35,77.25 R2.1@133.35,75.5 ; R2.1@133.21,75.64 ccw(c132.871,75.979) 133.35,75.979 ccw(c133.829,75.979) R2.1@133.49,75.64
UD+: PWR1.3 U1.3 | length 10.4
  Top Layer w0.203: PWR1.3@124.852,69.8 ccw(c124.01,69.8) 124.605,70.395 ccw(c125.2,70.99) PWR1.3@125.2,70.148 ; PWR1.3@125.2,69.8 124.496,70.504 124.496,71.696 124.95,72.15 127.1,72.15 128.593,70.657 U1.3@130.607,70.657
UD-: PWR1.2 U1.4 | length 6.8
  Top Layer w0.203: PWR1.2@126.2,69.15 126.475,69.15 127.482,70.157 U1.4@130.607,70.157 ; PWR1.2@126.2,69.295 ccw(c126.2,70.31) 126.917,69.592 ; PWR1.2@126.2,69.498 ccw(c126.2,71.003) 127.264,69.939
VCC: C29.2 C30.2 C40.1 JP0.11 L6.1 SW1.1 U7.1 U7.4 U9.1 U9.4 VCC.2 | length 66
  Top Layer w0.508: U9.4@74.004,84.143 75.207,84.143 ; 78.275,99.45 78.25,99.45 78.675,99.025 78.675,98.025 79.15,97.55 U7.1@79.8,97.55 ; 78.753,97.947 ccw(c79.6,98.793) U7.1@79.6,97.596
  Top Layer w0.762: C40.1@74.231,86.477 cw(c73.513,85.759) 74.528,85.759 ; C40.1@74.315,86.611 74.528,86.398 74.528,85.175 75.225,84.478 75.225,84.125 ; 75.207,84.143 75.225,84.125 ; 75.345,82.518 ccw(c76.204,83.376) U9.1@76.204,82.162 ; U9.1@76.25,82.176 cw(c75.974,82.576) 75.63,82.233 ; U9.1@76.65,82.233 75.63,82.233 ; 75.225,84.125 75.225,82.638 75.63,82.233
  Top Layer w1.016: L6.1@72.289,86.054 cw(c73.633,84.71) 73.633,86.611 ; L6.1@72.299,86.072 cw(c73.032,85.843) 73.032,86.611 ; L6.1@72.301,88.684 cw(c73.73,88.684) 72.72,89.695 ; 73.351,90.326 ccw(c71.777,91.9) SW1.1@74.003,91.9 ; 73.98,93.608 ccw(c76.053,93.608) SW1.1@74.587,92.142 ; C40.1@74.315,86.611 73.032,86.611 L6.1@72.259,87.384 72.259,89.234 74.345,91.32 SW1.1@74.345,91.9 73.98,91.9 73.98,94.895 74.366,95.281 75,95.281 C29.2@75.04,95.321 C30.2@75.04,97.63 ; C30.2@74.986,97.744 cw(c75.738,97.038) 75.738,98.07 ; C30.2@75.04,97.67 75.44,98.07 75.739,98.07 ; 76.558,99.392 cw(c77.2,98.75) U7.4@77.2,99.658 ; U7.4@77.26,99.649 ccw(c77.088,99.078) 76.666,99.5 ; 78.15,99.5 76.666,99.5 ; 78.275,99.45 78.275,99.925 79.175,100.825 83.905,100.825 VCC.2@85.055,101.975 ; 75.739,98.07 76.24,98.571 76.24,99.074 76.666,99.5 ; 74.384,95.299 cw(c74.94,94.742) 74.94,95.529 ccw(c74.94,94.742) 74.384,95.299
  Bottom Layer w1.016: SW1.1@74.345,91.9 81.125,91.9 83.3,89.725 83.3,86.849 JP0.11@85.059,85.09
VDD_SDIO: C20.1 U2.26 U4.8 | length 13.8
  Top Layer w0.203: v1@98.946,93.104 ccw(c98.724,93.326) 99.038,93.326 ; v1(99,93.05) 99.038,93.088 U2.26@99.038,95.475 ; v1@103.275,92.249 cw(c103.275,92.065) 103.405,92.195 cw(c103.535,92.325) v1@103.351,92.325 ; v1(103.275,92.325) 104.132,91.468 U4.8@104.132,91.205 106.92,91.205 C20.1@106.95,91.175 ; U4.8@105.221,91.061 cw(c105.568,90.714) 105.568,91.205 cw(c105.568,91.696) U4.8@105.221,91.349 ; 106.299,91.205 cw(c106.299,90.624) C20.1@106.71,91.035 ; 106.443,91.205 ccw(c106.443,91.582) C20.1@106.71,91.315
  Bottom Layer w0.203: v1(99,93.05) 99.007,93.057 102.543,93.057 v1(103.275,92.325) ; v1@99.054,92.996 cw(c99.2,92.85) 99.2,93.057 ; v1@103.199,92.325 ccw(c103.015,92.325) 103.145,92.455 ccw(c103.275,92.585) v1@103.275,92.401
VIO: C3.1 R4.2 U1.5 U1.6 | length 15.9
  Top Layer w0.203: C3.1@128.253,69.472 cw(c128.699,69.026) 128.699,69.657 ; C3.1@128.3,69.325 128.632,69.657 ; C3.1@128.397,69.322 ccw(c128.794,69.719) 128.794,69.157 ; C3.1@128.397,69.328 cw(c129.19,68.535) 129.19,69.657 ; C3.1@128.4,69.523 ccw(c128.4,69.761) C3.1@128.568,69.593 ; C3.1@128.54,69.185 cw(c129.681,68.044) 129.681,69.657 ; C3.1@128.54,69.465 ccw(c129.285,70.21) 129.285,69.157 ; C3.1@128.583,69.403 cw(c128.796,69.493) 128.632,69.657 ; C3.1@128.643,69.157 U1.6@130.607,69.157 130.607,67.618 v1(131.275,66.95) ; U1.5@130.607,69.657 128.632,69.657 ; v1@131.199,66.95 ccw(c131.015,66.95) 131.145,67.08 ccw(c131.275,67.21) v1@131.275,67.026 ; v1(132.825,66.6) 132.825,66.575 R4.2@133.6,65.8 ; v1@132.901,66.6 ccw(c133.146,66.6) 132.973,66.427 ; 133.091,66.309 ccw(c133.6,66.819) R4.2@133.6,66.098 ; R4.2@133.332,66.068 cw(c133.164,65.9) R4.2@133.402,65.9
  Bottom Layer w0.203: v1@131.275,66.874 cw(c131.275,66.69) 131.405,66.82 cw(c131.535,66.95) v1@131.351,66.95 ; v1(131.275,66.95) 131.625,66.6 v1(132.825,66.6) ; v1@132.771,66.546 ccw(c132.641,66.416) 132.641,66.6 ccw(c132.641,66.784) v1@132.771,66.654
XTA_IN: C16.1 U2.45 X1.1 | length 8.6
  Top Layer w0.203: U2.45@103.863,99.5 103.895,99.468 105.335,99.468 107.681,97.122 C16.1@107.872,97.122 108.832,97.122 ; 107.278,97.525 ccw(c107.772,98.019) C16.1@107.772,97.32 ; C16.1@107.498,97.305 cw(c107.314,97.122) C16.1@107.574,97.122 ; C16.1@108.112,96.982 cw(c108.451,96.643) 108.451,97.122 cw(c108.451,97.601) C16.1@108.112,97.262 ; X1.1@109.189,97.154 ccw(c109.029,96.925) 108.832,97.122 ; X1.1@109.359,97.649 108.832,97.122
XTA_OUT: C17.1 U2.44 X1.3 | length 13
  Top Layer w0.203: U2.44@103.863,99.1 103.87,99.107 105.193,99.107 107.218,97.082 107.218,96.621 107.872,95.967 C17.1@107.872,95.836 108.525,95.836 108.854,96.165 109.864,96.165 110.768,95.261 X1.3@110.858,95.261 ; 107.27,96.57 cw(c106.536,95.836) C17.1@107.574,95.836 ; 107.617,96.223 cw(c107.23,95.836) C17.1@107.777,95.836 ; C17.1@108.112,95.696 cw(c108.451,95.357) 108.451,95.836 cw(c108.451,96.315) C17.1@108.112,95.976 ; 109.864,96.165 ccw(c110.735,97.035) X1.3@110.834,95.808 ; 110.175,95.854 ccw(c110.781,96.46) X1.3@110.85,95.606
pads on no net: IC1.1 IC1.2 IC1.4 IC1.5 IC1.6 IC1.7 IC1.8 IC1.9 IC1.14 IC1.15 IC1.18 IC1.19 PWR1.4 U1.1 U1.10 U1.11 U1.12 U1.13 U1.14 U1.15 U1.17 U1.24 U1.25 U3.5 U3.6 U3.10 U7.5

## Polygon pours and split planes (outlines as drawn)
GND on Top Layer "GND" (solid, remove dead copper, pour order 7): 55.4,87.7 83.1,115.4 117.275,115.4 118.25,115.4 143.825,89.825 143.825,54.875 120.9,31.95 79.6,31.95 56.325,55.225 55.4,56.15 55.4,87.7
GND on Bottom Layer "GND" (solid, remove dead copper, pour order 6): 55.4,87.7 83.1,115.4 117.275,115.4 118.25,115.4 143.825,89.825 143.825,54.875 120.9,31.95 79.6,31.95 56.325,55.225 55.4,56.15 55.4,87.7

## Keep-outs
Keep-Out Layer:
  circle w0.254: c100.838,73.66 r12.5
  circle w0.254: c100.838,73.66 r40

## Other copper
Top Layer:
  pour cut-out: 104.75,115.09 102.001,107.537 122.465,100.089 125.214,107.642
Bottom Layer:
  pour cut-out: 104.75,115.09 102.534,109.003 122.999,101.555 125.214,107.642

## Silkscreen, mask and mechanical layers (free items; w line width, h text height)
Top Overlay:
  text "GND" at 86.872,103.875 h1.14
  text "PWR" at 84.171,103.822 h1.14
  text "SW" at 71.1,93.8 h1.14
  text "GND" at 113.738,87.29 h1.14
  text "GND" at 86.672,87.275 h1.14
  text "PWR" at 86.671,84.722 h1.14
  text "3V3" at 113.737,84.737 h1.14
  text "P10" at 113.931,82.194 h1.14
  text "P4" at 86.865,82.179 h1.14
  text "GND5V" at 81.025,81.75 h1.14 r90
  text "GND" at 122.187,81.75 h1.14 r90
  text "GND" at 67.3,81.172 h1.14 r90
  text "P3" at 86.865,79.643 h1.14
  text "P11" at 113.931,79.658 h1.14
  text "GND" at 122.187,79.2 h1.14 r90
  text "BAT" at 67.378,78.871 h1.14 r90
  text "GND5V" at 81.025,78.5 h1.14 r90
  text "SCL" at 113.931,77.108 h1.14
  text "P2" at 86.865,77.093 h1.14
  text "5V" at 81.021,76.75 h1.14 r90
  text "3V3" at 122.183,76.75 h1.14 r90
  text "SDA" at 113.931,74.565 h1.14
  text "P1" at 87.057,74.55 h1.14
  text "5V" at 81.021,74.35 h1.14 r90
  text "3V3" at 122.183,74.35 h1.14 r90
  text "P15" at 113.931,72.029 h1.14
  text "P0" at 86.865,72.014 h1.14
  text "3V3" at 81.026,71.579 h1.14 r90
  text "3V3" at 122.188,71.579 h1.14 r90
  text "P16" at 113.931,69.488 h1.14
  text "P5" at 86.865,69.473 h1.14
  text "3V3" at 81.026,68.994 h1.14 r90
  text "3V3" at 122.188,68.994 h1.14 r90
  text "P8" at 113.931,66.945 h1.14
  text "P6" at 86.865,66.93 h1.14
  text "GND" at 81.025,66.41 h1.14 r90
  text "GND" at 122.187,66.41 h1.14 r90
  text "GND" at 67.225,65.61 h1.14 r90
  text "P7" at 86.865,64.377 h1.14
  text "P9" at 113.931,64.392 h1.14
  text "GND" at 81.025,63.825 h1.14 r90
  text "GND" at 122.187,63.825 h1.14 r90
  text "CG5V" at 67.2,62.5 h1.14 r90
  text "3V3" at 86.671,61.843 h1.14
  text "3V3" at 113.737,61.858 h1.14
  text "GND" at 96.21,60.075 h1.14
  text "3V3" at 98.71,60.075 h1.14
  text "P13" at 101.41,60.075 h1.14
  text "P14" at 103.91,60.075 h1.14
  text "GND" at 86.672,59.3 h1.14
  text "GND" at 113.738,59.315 h1.14
  text "RX" at 101.4,56.1 h1.14
  text "TX" at 103.8,56.1 h1.14
  text "+" at 70.4,52.8 h2.03
  text "_" at 85.3,41.3 h2.03

## Text inside footprints (layer, text, board x,y; h text height)
PWR1: Top Overlay "+" at 125.141,67.895 h1.02 r180
U1: Mechanical 15 "1" at 133.057,70.243 h0.75 r90